# Altium PCB Board-PCB.PcbDoc (part 2 of 2)
Units mm, origin at the board's own origin, x right, y up, seen from the top; angles counter-clockwise.
Board outline 60 x 100 mm, 4 copper layers (Top Layer, Mid Layer 1, Mid Layer 2, Bottom Layer), stack 0.778 mm thick; 163 components, 149 nets, 665 pads, 352 vias.
Unrouted connection lines stored in the file: 350.
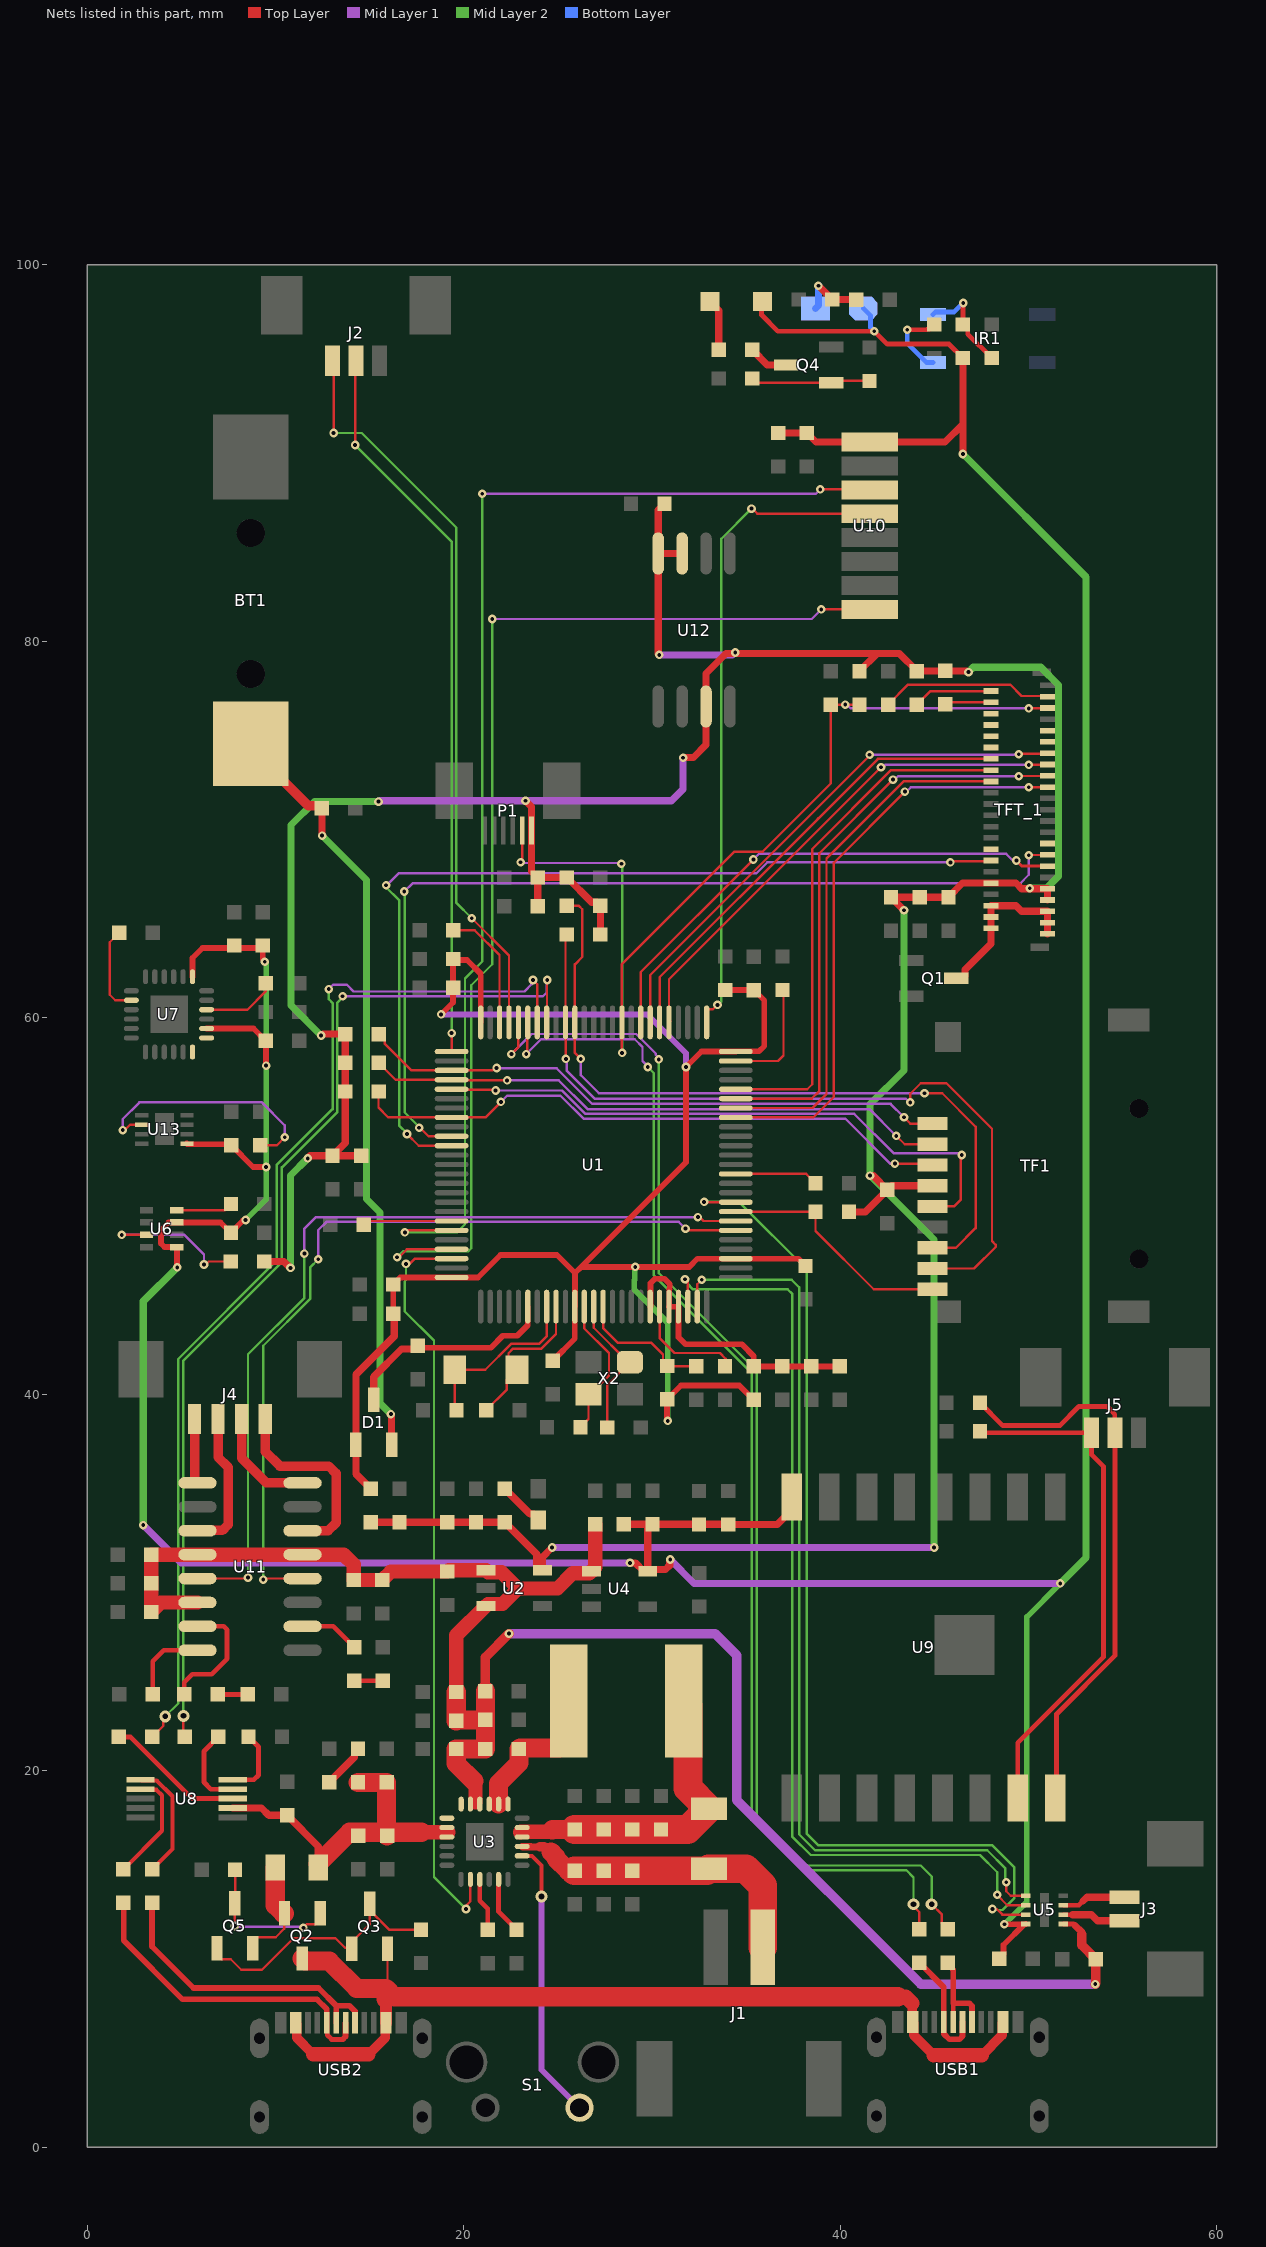
[diagram p4: the nets of this part, all layers, seen from the top]

## Via types
v1: diameter 0.457, hole 0.203, Top Layer to Bottom Layer, tented both sides, 341 vias
v2: diameter 0.635, hole 0.305, Top Layer to Bottom Layer, tented both sides, 7 vias
v3: diameter 0.7/0.4/0.4/0.7 (per signal layer), hole 0.7, Top Layer to Bottom Layer, tented both sides, 4 vias

## Nets (pads, with @x,y where several pads share a name; then routed paths per layer and width w, separated by ;. In a path a pad name is that pad's centre, name@x,y a point inside that pad or via, vN(x,y) a via of type N, cw(c..) or ccw(c..) an arc to the next point about the centre after c; other vN are vias at no path point) (continued)
LCD_D09: TFT_1.27 U1.43 | length 31.1
  Top Layer w0.127: U1.43@34.45,54.7 38.562,54.7 39.649,55.788 39.649,68.224 v1(43.434,72.009) ; v1(50.013,72.238) 50.019,72.244 50.994,72.244 TFT_1.27@51,72.25
  Mid Layer 1 w0.127: v1(43.434,72.009) 43.523,72.009 43.752,72.238 v1(50.013,72.238)
LCD_D10: TFT_1.28 U1.44 | length 28.1
  Top Layer w0.127: U1.44@34.45,55.2 38.523,55.2 39.268,55.945 39.268,68.453 43.365,72.55 TFT_1.28@48,72.55
LCD_D11: TFT_1.29 U1.45 | length 31.1
  Top Layer w0.127: U1.45@34.45,55.7 38.484,55.7 38.887,56.103 38.887,68.732 v1(42.799,72.644) ; v1(49.479,72.822) 49.493,72.836 50.986,72.836 TFT_1.29@51,72.85
  Mid Layer 1 w0.127: v1(42.799,72.644) 42.888,72.644 43.066,72.822 v1(49.479,72.822)
LCD_D12: TFT_1.30 U1.46 | length 27.9
  Top Layer w0.127: U1.46@34.45,56.2 38.242,56.2 38.506,56.464 38.506,68.961 42.695,73.15 TFT_1.30@48,73.15
LCD_D13: TFT_1.31 U1.55 | length 27.2
  Top Layer w0.127: U1.55@30.964,59.813 U1.55@30.9,59.75 30.9,62.04 v1(42.164,73.304) ; v1(50.013,73.431) 50.022,73.441 50.991,73.441 TFT_1.31@51,73.45
  Mid Layer 1 w0.127: v1(42.164,73.304) 42.253,73.304 42.38,73.431 v1(50.013,73.431)
LCD_D14: TFT_1.32 U1.56 | length 24.9
  Top Layer w0.127: U1.56@30.464,59.813 U1.56@30.4,59.75 30.4,62.151 38.836,70.587 ; 38.811,70.561 42,73.75 TFT_1.32@48,73.75
LCD_D15: TFT_1.33 U1.57 | length 28.6
  Top Layer w0.127: U1.57@29.964,59.813 U1.57@29.9,59.75 29.9,62.262 41.554,73.916 v1(41.554,73.965) ; v1(49.479,73.99) 49.509,74.02 50.97,74.02 TFT_1.33@51,74.05
  Mid Layer 1 w0.127: v1(41.554,73.965) 41.567,73.977 49.466,73.977 v1(49.479,73.99)
LCD_D16: TFT_1.34
LCD_D17: TFT_1.35 | length 0
  Top Layer w0.127: TFT_1.35@50.988,74.638 TFT_1.35@51,74.65
LCD_DE: TFT_1.36
LCD_HSYNC: TFT_1.38
LCD_IM0: R1.1 TFT_1.44 | length 4.2
  Top Layer w0.127: R1.1@44.069,76.632 44.787,77.35 TFT_1.44@48,77.35
LCD_IM1: R5.1 TFT_1.43 | length 9.2
  Top Layer w0.127: R5.1@42.545,76.632 43.604,77.691 49.03,77.691 49.632,77.089 50.961,77.089 TFT_1.43@51,77.05
LCD_IM2: R3.1 TFT_1.42 | length 2.5
  Top Layer w0.127: R3.1@45.583,76.643 45.69,76.75 TFT_1.42@48,76.75
LCD_LED-: Q1.3 TFT_1.1 TFT_1.2 TFT_1.3 TFT_1.4 TFT_1.5 TFT_1.6 | length 9.2
  Top Layer w0.381: Q1.3@46.164,62.088 46.514,62.088 46.624,62.197 46.624,62.547 48,63.924 TFT_1.2@48,64.75 TFT_1.4@48,65.35 TFT_1.6@48,65.95 49.33,65.95 49.63,65.65 TFT_1.5@51,65.65 TFT_1.3@51,65.05 TFT_1.1@51,64.45
LCD_MISO: TFT_1.17
LCD_MOSI: TFT_1.16
LCD_PCLK: TFT_1.37
LCD_RD: TFT_1.15 U1.85 | length 50.4
  Top Layer w0.127: v1(17.628,54.153) 17.678,54.153 18.131,53.7 U1.85@19.35,53.7 ; v1(50.013,68.631) 50.022,68.64 50.99,68.64 TFT_1.15@51,68.65
  Mid Layer 1 w0.127: v1(16.84,66.7) 17.272,67.132 49.555,67.132 50.013,67.589 v1(50.013,68.631)
  Mid Layer 2 w0.127: v1(16.84,66.7) 16.866,66.675 16.866,54.966 17.628,54.204 v1(17.628,54.153)
LCD_RS: TFT_1.13 U1.58 | length 27.1
  Top Layer w0.127: U1.58@29.4,59.75 29.4,62.42 v1(35.382,68.402)
  Top Layer w0.152: v1(49.352,68.351) 49.643,68.061 50.989,68.061 TFT_1.13@51,68.05
  Mid Layer 1 w0.127: v1(35.382,68.402) 35.687,68.707 48.808,68.707 49.164,68.351 v1(49.352,68.351)
LCD_RST: C3.2 P1.2 R7.2 TFT_1.41 U1.60 | length 53.6
  Top Layer w0.127: v1(23.018,68.255) 23.1,68.337 P1.2@23.1,69.95 ; v1(28.411,58.126) 28.4,58.138 U1.60@28.4,59.75 28.4,62.848 34.374,68.821 35.881,68.821 39.497,72.437 C3.2@39.497,76.632 v1(40.259,76.632) R7.2@41.021,76.632 ; v1(50.013,76.429) 50.023,76.439 50.989,76.439 TFT_1.41@51,76.45
  Mid Layer 1 w0.127: v1(23.018,68.255) 23.059,68.215 28.331,68.215 v1(28.372,68.174) ; v1(40.259,76.632) 40.348,76.632 40.552,76.429 v1(50.013,76.429)
  Mid Layer 2 w0.127: v1(23.018,68.255) v1@23.063,68.301 ; v1(28.372,68.174) 28.411,68.134 v1(28.411,58.126)
LCD_VSYNC: TFT_1.40
LCD_WR: TFT_1.14 U1.86 | length 49
  Top Layer w0.127: v1(16.98,53.823) 17.603,53.2 U1.86@19.35,53.2 ; v1(45.847,68.25) 45.897,68.3 47.95,68.3 TFT_1.14@48,68.35
  Mid Layer 1 w0.127: v1@15.888,67.018 16.535,67.666 35.535,67.666 36.119,68.25 v1(45.847,68.25)
  Mid Layer 2 w0.127: v1(15.875,67.031) 15.875,66.929 16.561,66.243 16.561,54.28 16.98,53.861 v1(16.98,53.823)
MODULE_RX: J5.1 R4.1 U9.15 | length 27.5
  Top Layer w0.254: R4.1@47.422,38.024 47.496,37.95 J5.1@53.35,37.95 53.34,37.94 53.34,36.805 53.975,36.17 53.975,26.035 49.423,21.483 U9.15@49.423,18.543
MODULE_TX: J5.2 R2.1 U9.16 | length 30
  Top Layer w0.254: R2.1@47.422,39.548 48.639,38.331 51.666,38.331 52.68,39.345 54.178,39.345 54.585,38.938 54.585,37.965 J5.2@54.6,37.95 54.6,26.121 51.486,23.007 51.486,18.605 U9.16@51.423,18.543
MOTO_EN: U1.34 U5.7 | length 55.4
  Top Layer w0.127: v1(32.766,50.216) 32.782,50.2 U1.34@34.45,50.2 ; v1(48.082,12.649) 48.311,12.649 48.611,12.349 U5.7@49.85,12.349
  Mid Layer 2 w0.127: v1(32.766,50.216) 34.62,50.216 38.227,46.609 38.227,16.637 38.837,16.027 48.082,16.027 49.251,14.859 49.251,13.226 48.623,12.598 48.133,12.598 v1(48.082,12.649)
MOTO_IN1: U1.23 U5.6 | length 51
  Top Layer w0.127: v1(31.75,46.101) 31.9,45.951 U1.23@31.9,44.65 ; v1(48.336,13.411) 48.336,13.386 48.873,12.849 U5.6@49.849,12.849
  Mid Layer 2 w0.127: v1(31.75,46.101) 31.75,46.012 31.997,45.765 31.997,45.751 32.18,45.568 37.211,45.568 37.44,45.339 37.44,16.51 38.43,15.519 47.422,15.519 48.336,14.605 v1(48.336,13.411)
MOTO_IN2: U1.24 U5.5 | length 50
  Top Layer w0.127: U1.24@32.4,44.65 32.4,45.837 v1(32.639,46.076) ; v1(48.819,14.072) 48.819,13.589 49.057,13.351 U5.5@49.849,13.351
  Mid Layer 2 w0.127: v1(32.639,46.076) 37.414,46.076 37.821,45.669 37.821,16.612 38.659,15.773 47.803,15.773 48.768,14.808 48.768,14.122 v1(48.819,14.072)
NetBT1_1: BT1.1 C19.2 D1.2 | length 40.7
  Top Layer w0.381: C19.2@12.319,71.247 C19.2@12.446,71.12 12.459,71.107 12.459,69.685 v1(12.471,69.672) ; v1(16.129,38.938) 16.129,38.918 16.165,38.882 D1.2@16.165,37.3
  Top Layer w0.508: BT1.1@8.687,74.549 8.687,74.299 11.739,71.247 C19.2@12.319,71.247
  Mid Layer 2 w0.381: v1(12.471,69.672) 14.834,67.31 14.834,50.368 15.545,49.657 15.545,39.522 v1(16.129,38.938)
NetC6_1: C6.1 D1.3 U1.6 | length 11.6
  Top Layer w0.305: C6.1@17.551,42.57 17.653,42.469 21.438,42.469 22.073,43.104 22.835,43.104 23.393,43.663 23.393,44.644 U1.6@23.4,44.65
  Top Layer w0.381: D1.3@15.215,39.7 15.215,40.919 16.688,42.393 17.374,42.393 C6.1@17.551,42.57
NetC17_1: C17.1 C18.1 C24.2 L2.1 U1.19 U1.21 U1.22 | length 15.4
  Top Layer w0.305: U1.19@29.9,44.65 29.912,44.662 29.912,45.889 30.15,46.126 30.658,46.126 30.937,45.847 30.937,45.594 30.912,45.57 30.912,44.662 U1.21@30.9,44.65 U1.22@31.4,44.65 31.4,43.022 31.775,42.647 34.773,42.647 35.408,42.012 35.408,41.483 L2.1@35.4,41.475 C18.1@36.925,41.475 C24.2@38.45,41.475 C17.1@39.975,41.475
NetC20_2: C20.2 U1.49 | length 6.2
  Top Layer w0.127: U1.49@34.45,57.7 36.694,57.7 36.982,57.988 36.982,61.419 C20.2@36.934,61.468
NetC21_2: C21.2 U1.8 X1.1 | length 9.4
  Top Layer w0.127: C21.2@19.609,39.141 19.525,39.225 X1.1@19.525,41.3 21.143,41.3 22.515,42.672 24.003,42.672 24.4,43.069 U1.8@24.4,44.65
NetC22_2: C22.2 U1.9 X1.2 | length 8.3
  Top Layer w0.127: C22.2@21.184,39.141 22.288,40.246 22.288,40.763 X1.2@22.825,41.3 22.372,41.753 22.372,42.17 22.62,42.418 24.13,42.418 24.9,43.188 U1.9@24.9,44.65
NetC23_2: C23.2 U1.73 | length 6.6
  Top Layer w0.127: C23.2@19.431,64.645 20.572,64.645 21.895,63.322 21.895,59.755 U1.73@21.9,59.75
NetC26_2: C26.2 U1.12 X2.3 | length 7.6
  Top Layer w0.127: C26.2@26.2,38.25 26.625,38.675 X2.3@26.625,40 26.725,40 27.711,40.986 27.711,42.183 26.4,43.494 U1.12@26.4,44.65
NetC27_2: C27.2 U1.13 X2.1 | length 7.8
  Top Layer w0.127: U1.13@26.9,44.65 26.9,43.525 28.725,41.7 X2.1@28.825,41.7 27.625,40.5 C27.2@27.625,38.225
NetC34_2: C34.2 R23.1 | length 2.4
  Top Layer w0.381: C34.2@12.85,19.38 14.185,20.715 14.185,20.968 R23.1@14.375,21.158
NetC40_1: C40.1 L3.1 U3.13 U3.14 U3.15 | length 8.3
  Top Layer w1.016: U3.14@21.85,18.225 21.85,19.325 22.925,20.4 C40.1@22.925,21.15 22.983,21.208 25.087,21.208 25.579,21.7 L3.1@25.579,23.7
NetC41_2: C41.2 C42.2 C43.2 C50.2 L3.2 R27.2 U3.10 U3.11 | length 16.8
  Top Layer w0.762: 23,16.725 23.025,16.75 24.6,16.75 24.7,16.85
  Top Layer w1.016: 24.7,16.85 24.725,16.875 C50.2@25.9,16.875
  Top Layer w1.524: C50.2@25.9,16.875 C42.2@28.95,16.875 C41.2@30.475,16.875 31.886,16.875 R27.2@32.994,17.983 ; L3.2@31.675,23.7 31.913,23.462 31.913,19.064 R27.2@32.994,17.983 ; R27.2@33.02,17.983 R27.2@32.994,17.983
NetC54_1: C54.1 IR1.4 R32.2 | length 5.4
  Top Layer w0.254: v1(46.533,97.968) 46.512,97.947 R32.2@46.512,96.824 46.766,96.57 46.766,96.317 C54.1@48.037,95.046
  Bottom Layer w0.254: IR1.4@44.921,97.352 45.061,97.492 46.057,97.492 v1(46.533,97.968)
NetC56_1: C56.1 U7.20 | length 4.8
  Top Layer w0.127: C56.1@1.702,64.516 1.194,64.008 1.194,61.214 1.483,60.925 U7.20@2.337,60.925
NetC57_2: C57.2 U7.10 | length 4
  Top Layer w0.127: U7.10@6.337,60.425 8.507,60.425 9.474,61.392 C57.2@9.475,61.825
NetC60_2: C60.2 U8.10 | length 3.7
  Top Layer w0.254: U8.10@7.722,19.517 7.726,19.521 8.853,19.521 9.093,19.761 9.093,21.26 C60.2@8.56,21.793
NetC71_2: C71.2 U11.8 | length 4.4
  Top Layer w0.254: C71.2@3.478,24.05 3.478,25.803 4.07,26.395 U11.8@5.85,26.395
NetC72_1: C72.1 R46.1 | length 1.6
  Top Layer w0.254: R46.1@6.925,24.05 C72.1@8.525,24.05
NetC73_1: C73.1 R47.1 | length 1.5
  Top Layer w0.254: R47.1@14.175,24.775 C73.1@15.7,24.775
NetD2_1: D2.1 R28.1 R29.2 | length 3.6
  Top Layer w0.381: v1(38.837,98.882) 38.843,98.882 R28.1@39.575,98.15 39.577,98.148 40.841,98.148 R29.2@40.843,98.146
  Bottom Layer w0.381: D2.1@38.68,97.675 38.837,97.832 v1(38.837,98.882)
NetD4_2: D4.2 R43.2 | length 2.8
  Top Layer w0.381: D4.2@33.071,98.044 33.541,97.574 R43.2@33.541,95.479
NetF1_1: F1.1 Q2.2 Q5.2 | length 5.8
  Top Layer w0.127: Q5.2@8.788,10.566 8.788,10.916 9.025,11.153 10.01,11.153 10.465,11.608 10.465,12.36 Q2.2@10.404,12.421
  Top Layer w1.016: F1.1@9.982,14.859 9.982,12.842 10.404,12.421 Q2.2@10.47,12.421
NetIR1_3: IR1.3 R33.2 | length 4
  Top Layer w0.254: v1(43.561,96.545) 44.584,96.545 44.609,96.57 44.733,96.57 R33.2@44.987,96.824
  Bottom Layer w0.254: v1(43.561,96.545) 43.561,95.822 44.571,94.812 IR1.3@44.921,94.812
NetJ3_1: J3.1 U5.3 | length 3.4
  Top Layer w0.254: U5.3@51.852,12.851 52.676,12.851 52.9,13.075
  Top Layer w0.381: 52.9,13.075 53.1,13.275 J3.1@55.1,13.275
NetJ3_2: J3.2 U5.2 | length 3.4
  Top Layer w0.254: U5.2@51.852,12.348 52.348,12.348
  Top Layer w0.381: 52.348,12.348 53.338,12.348 53.661,12.025 J3.2@55.1,12.025
NetLED1_1: LED1.1 R24.1 | length 2.5
  Top Layer w0.381: R24.1@22.174,34.976 23.508,33.642 23.736,33.642 23.952,33.426 LED1.1@23.952,33.325
NetQ2_1: Q2.1 Q5.3 R49.2 | length 8.1
  Top Layer w0.127: v1@7.849,11.735 v1(7.838,11.745) Q5.3@7.838,12.966 7.849,12.977 R49.2@7.849,14.732 ; v1(11.481,11.659) 11.656,11.834 12.133,11.834 12.37,12.071 Q2.1@12.37,12.421
  Mid Layer 1 w0.127: v1(7.838,11.745) 7.882,11.702 11.438,11.702 v1(11.481,11.659)
NetQ3_1: Q3.1 Q3.3 Q5.1 R48.2 | length 14.7
  Top Layer w0.127: Q5.1@6.888,10.566 6.888,10.216 7.125,9.98 7.622,9.98 8.179,9.423 9.271,9.423 10.947,11.1 13.183,11.1 13.691,10.592 13.995,10.592 Q3.1@14.046,10.541 14.046,10.891 14.996,11.841 Q3.3@14.996,12.591 ; Q3.3@14.996,12.941 Q3.3@14.996,12.591 ; R48.2@17.729,11.557 16.03,11.557 Q3.3@14.996,12.591
NetQ4_1: Q4.1 R44.2 R45.2 | length 6.4
  Top Layer w0.127: R44.2@35.316,93.954 35.544,93.725 Q4.1@39.525,93.725 39.625,93.825 R45.2@41.55,93.825
NetQ4_3: Q4.3 R43.1 | length 2.1
  Top Layer w0.381: R43.1@35.319,95.479 36.122,94.675 Q4.3@37.125,94.675
NetR6_2: R6.2 U13.2 | length 13.3
  Top Layer w0.127: v1(1.88,54.026) 1.981,54.026 2.265,54.31 U13.2@2.887,54.31 ; R6.2@9.179,53.225 10.07,53.225 v1(10.49,53.645)
  Mid Layer 1 w0.127: v1(1.88,54.026) 1.88,54.61 2.769,55.499 9.271,55.499 10.49,54.28 v1(10.49,53.645)
NetR11_1: R11.1 U1.37 | length 4.4
  Top Layer w0.127: U1.37@34.45,51.7 38.19,51.7 R11.1@38.684,51.206
NetR15_1: R15.1 U1.94 | length 4.8
  Top Layer w0.127: R15.1@14.681,48.997 14.885,49.2 U1.94@19.35,49.2
NetR26_1: R26.1 U3.5 | length 3.1
  Top Layer w0.254: U3.5@21.85,14.225 21.85,12.5 R26.1@22.8,11.55
NetR30_1: R30.1 U6.2 | length 8.2
  Top Layer w0.127: v1(1.829,48.463) 1.83,48.464 U6.2@3.15,48.464 ; v1(6.198,46.888) 6.287,46.888 6.448,47.05 R30.1@7.626,47.05
  Mid Layer 1 w0.127: v1(1.829,48.463) 5.156,48.463 6.198,47.422 v1(6.198,46.888)
NetR31_1: R31.1 U6.5 | length 3
  Top Layer w0.127: U6.5@4.75,49.775 7.304,49.775 R31.1@7.629,50.1
NetR35_2: R35.2 U1.20 | length 6.1
  Top Layer w0.127: U1.20@30.4,44.65 30.4,42.98 31.191,42.189 33.604,42.189 33.909,41.885 33.909,41.509 R35.2@33.875,41.475
NetR36_1: R36.1 USB1.A7 USB1.B7 | length 6.3
  Top Layer w0.305: R36.1@44.19,9.802 45.495,8.497 USB1.B7@45.495,6.65 45.497,6.648 45.497,6.027 45.8,5.725 46.325,5.725 46.5,5.9 46.497,5.903 46.497,6.648 USB1.A7@46.495,6.65
NetR37_1: R37.1 USB1.A6 USB1.B6 | length 5.2
  Top Layer w0.254: USB1.A6@45.995,6.65 45.995,7.65
  Top Layer w0.305: R37.1@45.715,9.802 45.944,9.573 45.944,9.47 45.995,9.419 45.995,7.65 46.846,7.65 46.993,7.504 46.993,6.652 USB1.B6@46.995,6.65
NetR39_1: R39.1 U8.9 | length 4.4
  Top Layer w0.254: R39.1@6.96,21.793 6.198,21.031 6.198,19.38 6.561,19.016 U8.9@7.722,19.016
NetR40_1: R40.1 U8.8 | length 7.4
  Top Layer w0.254: R40.1@1.676,21.793 1.68,21.79 2.29,21.79 5.563,18.517 U8.8@7.722,18.517
NetR41_1: R41.1 USB2.A7 USB2.B7 | length 17.6
  Top Layer w0.254: USB2.B7@12.72,6.6 12.743,6.577 12.743,5.957 12.975,5.725 13.571,5.725
  Top Layer w0.305: R41.1@1.915,12.977 1.93,12.962 1.93,10.973 5.053,7.85 12.2,7.85 12.718,7.332 12.718,6.602 USB2.B7@12.72,6.6 ; 13.571,5.725 13.718,5.871 13.718,6.598 USB2.A7@13.72,6.6
NetR42_1: R42.1 USB2.A6 USB2.B6 | length 17
  Top Layer w0.229: USB2.A6@13.22,6.6 13.225,6.605 13.225,7.511
  Top Layer w0.305: R42.1@3.44,12.977 3.44,10.657 5.639,8.458 12.277,8.458 13.225,7.511 13.929,7.511 14.218,7.223 14.218,6.602 USB2.B6@14.22,6.6 ; USB2.A6@13.22,6.6 13.22,7.511
NetR46_2: R46.2 U11.7 | length 6.6
  Top Layer w0.254: R46.2@5.147,24.05 5.147,24.697 5.575,25.125 6.6,25.125 7.425,25.95 7.425,27.475 7.235,27.665 U11.7@5.85,27.665
NetR47_2: R47.2 U11.10 | length 3.2
  Top Layer w0.254: U11.10@11.438,27.665 13.063,27.665 R47.2@14.175,26.553
NetS1_2: S1.2 U3.8 | length 15
  Top Layer w0.203: U3.8@23.1,15.475 23.115,15.46 23.63,15.46 24.13,14.961 v2(24.13,13.31)
  Mid Layer 1 w0.254: S1.2@26.139,2.08 S1.2@26.151,2.093
  Mid Layer 1 w0.305: v2(24.13,13.31) 24.13,4.114 S1.2@26.151,2.093
NRF_CE: U1.95 U10.3 | length 65.8
  Top Layer w0.127: v1(16.872,48.596) 16.975,48.7 U1.95@19.35,48.7 ; v1(38.938,88.062) 41.531,88.062 U10.3@41.553,88.04
  Mid Layer 1 w0.127: v1(20.98,87.833) 38.71,87.833 v1(38.938,88.062)
  Mid Layer 2 w0.127: v1(16.872,48.596) 19.64,48.596 20.066,49.022 20.066,62.078 20.98,62.992 v1(20.98,87.833)
NRF_CS: U1.51 U10.4 | length 34.9
  Top Layer w0.127: U1.51@32.9,59.75 32.9,60.376 32.971,60.447 33.231,60.447 33.388,60.604 33.401,60.604 v1(33.477,60.681) ; v1(35.281,87.046) 35.322,87.046 35.597,86.77 U10.4@41.553,86.77
  Mid Layer 2 w0.127: v1(33.477,60.681) 33.517,60.681 33.68,60.844 33.68,85.446 v1(35.281,87.046)
NRF_IRQ: U1.97 U10.8 | length 61.4
  Top Layer w0.127: v1(16.459,47.269) 16.549,47.269 16.979,47.7 U1.97@19.35,47.7 ; v1@38.989,81.686 v1(38.993,81.69) U10.8@41.553,81.69
  Mid Layer 1 w0.127: v1(21.514,81.178) 38.481,81.178 v1(38.993,81.69)
  Mid Layer 2 w0.127: v1(16.459,47.269) 16.789,47.6 20.244,47.6 20.396,47.752 20.396,61.722 21.514,62.84 v1(21.514,81.178)
NRST: C7.2 R14.2 U1.14 | length 7.2
  Top Layer w0.127: U1.14@27.4,44.65 27.4,43.517 28.194,42.723 29.972,42.723 30.582,42.113 30.582,41.718 R14.2@30.8,41.5 30.825,41.475 C7.2@32.35,41.475
P_DM: U3.18
P_DP: U3.19
PMU_IRQ: U1.98 U3.2 | length 39.9
  Top Layer w0.127: v1(16.929,46.922) 16.946,46.939 17.145,46.939 17.406,47.2 U1.98@19.35,47.2 ; v1(20.117,12.649) 20.117,12.827 20.35,13.06 U3.2@20.35,14.225
  Mid Layer 2 w0.127: v1(16.929,46.922) 16.929,46.067 16.866,46.003 16.866,44.399 18.415,42.85 18.415,14.351 v1(20.117,12.649)
SD_DETECT: R16.1 TF1.9 U1.33 | length 12.8
  Top Layer w0.127: U1.33@34.45,49.7 38.667,49.7 R16.1@38.684,49.682 38.684,48.666 41.776,45.575 TF1.9@44.905,45.575
SDIO_CLK: TF1.5 U1.80 | length 32.6
  Top Layer w0.127: U1.80@19.35,56.2 19.379,56.171 21.655,56.171 v1(21.692,56.134) ; TF1.5@44.905,49.975 46.038,49.975 46.406,50.343 46.406,52.654 v1(46.457,52.705)
  Mid Layer 1 w0.127: v1(21.692,56.134) 25.219,56.134 26.463,54.889 40.742,54.889 42.824,52.807 46.266,52.807 46.367,52.705 v1(46.457,52.705)
SDIO_CMD: R19.2 TF1.3 U1.83 | length 32.5
  Top Layer w0.127: R19.2@15.478,56.075 15.469,56.066 15.469,55.22 15.988,54.7 U1.83@19.35,54.7 21.147,54.7 v1(21.971,55.524) ; v1(42.901,52.248) 44.832,52.248 TF1.3@44.905,52.175
  Mid Layer 1 w0.127: v1(21.971,55.524) 22.301,55.855 25.139,55.855 26.358,54.635 40.259,54.635 42.647,52.248 v1(42.901,52.248)
SDIO_D0: R20.2 TF1.7 U1.65 | length 40.2
  Top Layer w0.127: R20.2@25.476,65.938 26.111,65.938 26.289,65.761 26.289,63.222 25.9,62.833 U1.65@25.9,59.75 25.9,58.123 v1(26.213,57.81) ; v1(44.475,55.982) 45.415,55.982 47.191,54.206 47.191,48.821 46.145,47.775 TF1.7@44.905,47.775
  Mid Layer 1 w0.127: v1(26.213,57.81) 26.213,56.947 27.178,55.982 v1(44.475,55.982)
SDIO_D1: R21.2 TF1.8 U1.66 | length 42.9
  Top Layer w0.127: v1(25.425,57.81) 25.413,57.823 25.413,59.737 U1.66@25.4,59.75 25.4,64.338 R21.2@25.476,64.414 ; v1@43.663,55.55 v1(43.713,55.499) 43.713,55.956 ; v1@43.713,55.55 43.713,55.956 ; TF1.8@44.905,46.675 47.107,46.675 48.258,47.826 48.258,47.932 48.057,48.133 48.057,54.102 45.644,56.515 44.272,56.515 43.713,55.956
  Mid Layer 1 w0.127: v1(25.425,57.81) 25.476,57.76 25.476,57.175 26.949,55.702 43.474,55.702 43.677,55.499 v1(43.713,55.499)
SDIO_D2: R17.2 TF1.1 U1.78 | length 31.6
  Top Layer w0.127: R17.2@15.478,59.125 15.796,58.807 15.796,58.626 17.222,57.2 U1.78@19.35,57.2 21.525,57.2 21.653,57.328 v1(21.742,57.328) ; v1(43.383,54.712) 43.72,54.375 TF1.1@44.905,54.375
  Mid Layer 1 w0.127: v1(21.742,57.328) 21.755,57.315 24.93,57.315 26.822,55.423 42.672,55.423 v1(43.383,54.712)
SDIO_D3: R18.2 TF1.2 U1.79 | length 31.2
  Top Layer w0.127: R18.2@15.478,57.6 16.378,56.7 U1.79@19.35,56.7 19.367,56.684 22.285,56.684 v1(22.301,56.667) ; v1(42.977,53.721) 43.423,53.275 TF1.2@44.905,53.275
  Mid Layer 1 w0.127: v1(22.301,56.667) 25.044,56.667 26.568,55.143 41.554,55.143 v1(42.977,53.721)
SPK_L+: J4.1 U11.1 | length 3.5
  Top Layer w0.508: J4.1@5.7,38.675 5.7,35.332 5.727,35.304 5.831,35.304 U11.1@5.85,35.285
SPK_L-: J4.2 U11.3 | length 7.6
  Top Layer w0.508: U11.3@5.85,32.745 5.869,32.764 7.177,32.764 7.475,33.062 7.475,36.125 6.95,36.65 J4.2@6.95,38.675
SPK_MUTE: U1.32 U11.5 | length 46
  Top Layer w0.127: U11.5@5.85,30.205 8.488,30.205 v1(8.537,30.254) ; v1(32.436,49.403) 32.525,49.403 32.728,49.2 U1.32@34.45,49.2
  Mid Layer 1 w0.127: v1(11.532,47.466) 11.532,48.793 12.141,49.403 v1(32.436,49.403)
  Mid Layer 2 w0.127: v1(8.537,30.254) 8.537,42.119 11.532,45.114 11.532,47.65 v1@11.557,47.676
SPK_R+: J4.3 U11.16 | length 5.9
  Top Layer w0.508: J4.3@8.2,38.675 8.2,36.6 9.515,35.285 U11.16@11.438,35.285
SPK_R-: J4.4 U11.14 | length 10.5
  Top Layer w0.508: J4.4@9.45,38.675 9.45,36.95 10.225,36.175 12.825,36.175 13.215,35.785 13.215,33.165 12.8,32.75 11.443,32.75 U11.14@11.438,32.745
SPK_SHND: U1.31 U11.12 | length 44.5
  Top Layer w0.127: v1(9.347,30.15) 9.402,30.205 U11.12@11.438,30.205 ; v1(31.775,48.793) 31.865,48.793 31.958,48.7 U1.31@34.45,48.7 U1.31@34.421,48.729
  Mid Layer 1 w0.127: v1(12.268,47.168) 12.268,48.717 12.7,49.149 31.42,49.149 v1(31.775,48.793)
  Mid Layer 2 w0.127: v1(9.347,30.15) 9.347,42.57 11.836,45.06 11.836,46.736 v1(12.268,47.168)
SW_CLK: J2.2 U1.76 | length 38.9
  Top Layer w0.127: v1(14.224,90.424) 14.224,94.798 14.199,94.824 J2.2@14.275,94.9 ; U1.76@19.35,58.2 v1(19.35,59.177)
  Mid Layer 2 w0.127: v1(14.224,90.424) 19.35,85.298 v1(19.35,59.177)
SW_DIO: J2.1 U1.72 | length 39.9
  Top Layer w0.127: J2.1@13.025,94.9 13.081,94.844 v1(13.081,91.059) ; v1(20.422,65.278) 22.4,63.3 U1.72@22.4,59.75
  Mid Layer 2 w0.127: v1(13.081,91.059) 14.58,91.059 19.609,86.03 19.609,66.091 v1(20.422,65.278)
USB_D+: R42.2 U8.1 | length 6.4
  Top Layer w0.229: U8.1@2.819,19.517 2.857,19.478 3.681,19.478 4.521,18.638 4.521,15.836 R42.2@3.44,14.755
USB_D-: R41.2 U8.2 | length 6.1
  Top Layer w0.229: R41.2@1.915,14.755 3.962,16.803 3.962,18.694 3.678,18.978 2.857,18.978 U8.2@2.819,19.016
USB_DM: R36.2 U1.70 | length 64.6
  Top Layer w0.127: v1(23.317,58.064) 23.371,58.118 23.371,59.721 U1.70@23.4,59.75 ; v2(43.891,12.903) 43.891,12.782 44.19,12.484 R36.2@44.19,11.58
  Mid Layer 1 w0.127: v1(23.317,58.064) 24.105,58.852 29.079,58.852 29.491,58.44 29.491,57.694 29.769,57.416 v1(29.769,57.379)
  Mid Layer 2 w0.127: v1(29.769,57.379) 30.099,57.048 30.099,46.304 35.306,41.097 35.306,17.399 37.998,14.707 43.51,14.707 43.891,14.326 v2(43.891,12.903)
USB_DP: R37.2 U1.71 | length 66.9
  Top Layer w0.127: v1(22.53,58.064) 22.9,58.435 U1.71@22.9,59.75 ; v2(44.856,12.903) 45.398,12.362 45.398,11.897 R37.2@45.715,11.58
  Mid Layer 1 w0.127: v1(22.53,58.064) 23.597,59.131 29.159,59.131 30.201,58.09 30.201,58.027 30.353,57.874 v1(30.353,57.785)
  Mid Layer 2 w0.127: v1(30.353,57.785) 30.353,46.431 35.56,41.224 35.56,17.551 38.151,14.961 44.272,14.961 44.856,14.376 v2(44.856,12.903)
USB_RX: R40.2 U1.69 | length 57.6
  Top Layer w0.127: R40.2@3.454,21.793 4.043,22.382 4.043,22.788 v2(4.14,22.885) ; v1(23.673,62.001) 23.9,61.774 U1.69@23.9,59.75
  Mid Layer 1 w0.127: v1(12.827,61.519) 13.056,61.747 13.792,61.747 14.148,61.392 23.216,61.392 23.61,61.786 23.61,61.938 v1(23.673,62.001)
  Mid Layer 2 w0.127: v2(4.14,22.885) 4.826,23.571 4.826,41.863 10.058,47.095 10.058,52.172 13.03,55.143 13.03,60.782 12.827,60.985 v1(12.827,61.519)
USB_TX: R39.2 U1.68 | length 56.7
  Top Layer w0.127: v2(5.105,22.911) 5.105,21.869 R39.2@5.182,21.793 ; U1.68@24.4,59.75 24.417,59.767 24.417,61.984 v1(24.435,62.001)
  Mid Layer 1 w0.127: v1(13.564,61.138) 24.206,61.138 24.409,61.341 24.409,61.976 v1(24.435,62.001)
  Mid Layer 2 w0.127: v2(5.105,22.911) 5.105,41.783 10.338,47.015 10.338,52.045 13.284,54.991 13.284,60.808 13.564,61.087 v1(13.564,61.138)
VBUS: Q2.3 Q3.2 USB1.A4B9 USB1.B4A9 USB2.A4B9 USB2.B4A9 | length 52.4
  Top Layer w0.127: 15.87,8.432 15.946,8.508 Q3.2@15.946,10.541
  Top Layer w0.508: USB2.A4B9@11.07,6.6 11.116,6.554 11.116,5.814 12,4.93 ; 14.94,4.93 15.83,5.82 15.83,6.56 USB2.B4A9@15.87,6.6 ; 43.815,7.645 43.815,6.68 USB1.A4B9@43.845,6.65 43.891,6.604 43.891,5.954 44.97,4.875 ; 47.52,4.875 48.599,5.954 48.599,6.604 USB1.B4A9@48.645,6.65
  Top Layer w0.635: USB2.B4A9@15.87,6.6 15.87,7.87
  Top Layer w0.762: 12,4.93 14.94,4.93 ; 43.067,7.99 43.47,7.99 43.815,7.645 ; 44.97,4.875 47.52,4.875
  Top Layer w1.016: Q2.3@11.42,10.021 11.562,9.879 12.861,9.879 14.307,8.432 15.87,8.432 ; 15.87,7.87 15.87,8.432 ; 43.067,7.99 16.312,7.99 15.87,8.432
VCC_3V3: C1.1 C2.1 C4.1 C5.1 C8.2 C28.1 C31.2 C32.2 L1.2 P1.1 R1.2 R3.2 R7.1 R8.2 R9.2 R10.2 R12.2 R13.2 R16.2 R17.1 R18.1 R19.1 R20.1 R21.1 R24.2 R30.2 TF1.4 TFT_1.7 TFT_1.9 TFT_1.10 U2.5 U12.3 U12.7 U12.8 | length 202.2
  Top Layer w0.381: R30.2@9.404,47.05 10.435,47.05 10.774,46.711 v1(10.795,46.711) ; v1(11.709,52.527) 11.845,52.662 R13.2@13.026,52.662 ; v1(12.421,59.055) 12.441,59.055 12.511,59.125 R17.1@13.7,59.125 R18.1@13.7,57.6 R19.1@13.7,56.075 13.7,53.337 R13.2@13.026,52.662 ; R12.2@14.551,52.662 R13.2@13.026,52.662 ; L1.2@15.062,33.198 C8.2@16.586,33.198 C31.2@19.126,33.198 C32.2@20.65,33.198 R24.2@22.174,33.198 23.875,31.497 23.875,30.735 23.96,30.65 U2.5@24.175,30.65 24.175,31.338 v1(24.689,31.852) ; v1(23.279,71.526) 23.6,71.206 P1.1@23.6,69.95 23.6,67.772 R9.2@23.927,67.446 ; R10.2@23.927,65.921 R9.2@23.927,67.446 ; R21.1@27.254,64.414 R20.1@27.254,65.938 27.064,66.129 26.793,66.129 C5.1@25.477,67.446 R9.2@23.927,67.446 ; v1(30.378,79.273) 30.328,79.324 U12.8@30.328,84.658 ; C2.1@30.658,87.3 30.328,86.97 U12.8@30.328,84.658 ; U12.7@31.598,84.658 U12.8@30.328,84.658 ; v1(31.648,73.812) 31.663,73.827 32.196,73.827 32.868,74.498 U12.3@32.868,76.53 32.868,78.283 33.934,79.35 41.961,79.35 ; R16.2@40.462,49.682 41.326,49.682 C28.1@42.494,50.851 ; R7.1@41.021,78.41 41.961,79.35 ; v1(41.58,51.613) 41.594,51.598 41.747,51.598 C28.1@42.494,50.851 ; v1(43.383,65.71) 43.383,65.711 R8.2@42.695,66.4 C1.1@45.745,66.4 46.495,67.15 TFT_1.10@48,67.15 49.33,67.15 49.63,66.85 TFT_1.9@51,66.85 TFT_1.7@51,66.25 ; TF1.4@44.905,51.075 42.718,51.075 C28.1@42.494,50.851 ; v1(46.812,78.359) 46.792,78.359 46.73,78.421 R3.2@45.583,78.421 45.577,78.415 44.075,78.415 R1.2@44.069,78.41 43.129,79.35 41.961,79.35
  Mid Layer 1 w0.381: v1(15.469,71.476) 15.519,71.526 v1(23.279,71.526) 31.039,71.526 31.648,72.136 v1(31.648,73.812) ; v1(24.689,31.852) v1(44.983,31.852) ; v1(30.378,79.273) 34.269,79.273 34.396,79.4 v1(34.417,79.4)
  Mid Layer 2 w0.381: v1(10.795,46.711) 10.795,51.613 v1(11.709,52.527) ; v1(12.421,59.055) 10.82,60.655 10.82,70.231 12.065,71.476 v1(15.469,71.476) ; v1(43.383,65.71) 43.383,57.201 41.58,55.397 v1(41.58,51.613) 44.983,48.209 v1(44.983,31.852) ; v1(46.812,78.359) 47.066,78.613 50.648,78.613 51.587,77.673 51.587,67.513 50.952,66.878 v1(50.063,66.878)
VCC_3V3_DEV: C47.2 C48.2 C52.1 C53.2 C55.1 C58.2 C59.2 C62.1 C63.1 C64.1 C65.1 C74.1 D2.2 D4.1 R32.1 U4.5 U5.8 U6.6 U6.8 U7.8 U7.13 U9.8 U10.1 U13.5 | length 230.6
  Top Layer w0.254: D4.1@35.871,98.044 35.814,97.987 35.814,97.333 36.679,96.468 41.807,96.468 42.491,95.783 45.774,95.783 R32.1@46.512,95.046
  Top Layer w0.305: v1(4.775,46.736) 4.763,46.748 4.763,47.802 U6.8@4.75,47.814 4.103,47.814 3.912,48.006 3.912,48.717 4.318,49.124 4.749,49.124 U6.6@4.75,49.125 7.078,49.125 C53.2@7.629,48.575 8.275,49.221 8.378,49.221 v1(8.407,49.251) ; U13.5@5.287,53.31 5.315,53.282 7.596,53.282 C74.1@7.654,53.225 8.808,52.07 v1(9.5,52.07) ; U7.13@5.587,62.175 5.587,63.169 6.121,63.703 9.195,63.703 C59.2@9.322,63.83 9.322,63.109 9.423,63.008 v1(9.423,62.967) ; U7.8@6.337,59.425 8.822,59.425 C55.1@9.472,58.775 9.486,58.761 9.486,57.469 v1(9.5,57.455) ; C52.1@48.447,10 48.676,10.229 48.676,10.746 U5.8@49.773,11.843 ; v1(48.717,11.836) 48.724,11.843 U5.8@49.773,11.843 ; U5.8@49.85,11.85 49.843,11.843 U5.8@49.773,11.843
  Top Layer w0.381: C47.2@28.5,33.094 28.509,33.085 C48.2@30.016,33.085 ; v1(28.829,31.039) 29.111,31.039 29.55,30.6 U4.5@29.775,30.6 ; C48.2@30.025,33.094 C48.2@30.016,33.085 ; v1(30.963,31.217) 30.963,31.196 30.937,31.171 30.937,30.908 30.714,30.685 29.86,30.685 U4.5@29.775,30.6 ; C64.1@36.703,91.059 C65.1@38.227,91.059 38.706,90.58 U10.1@41.553,90.58 41.557,90.576 45.568,90.576 46.512,91.521 ; U9.8@37.419,34.544 37.419,33.844 36.651,33.076 C62.1@34.047,33.076 34.038,33.085 C48.2@30.016,33.085 ; v1(46.512,89.946) 46.512,91.521 ; R32.1@46.512,95.046 46.512,91.521 ; U4.5@29.775,30.6 29.775,32.844 C48.2@30.016,33.085
  Mid Layer 1 w0.381: v1(2.972,33.045) 4.978,31.039 v1(28.829,31.039) ; v1(30.963,31.217) 32.233,29.947 v1(51.689,29.947)
  Mid Layer 2 w0.305: v1(8.407,49.251) 9.5,50.343 v1(9.5,52.07) v1(9.5,57.455) 9.5,62.849 9.423,62.925 v1(9.423,62.967) ; v1(48.717,11.836) 49.911,13.03 49.911,28.169 v1(51.689,29.947)
  Mid Layer 2 w0.381: v1(2.972,33.045) 2.972,44.933 v1(4.775,46.736) ; v1(46.512,89.946) 53.061,83.398 53.061,31.318 v1(51.689,29.947)
  Bottom Layer w0.254: D2.2@41.22,97.675 41.612,97.283 41.612,96.666 v1(41.808,96.469)
VCC_3V3_M: C9.2 C10.2 C11.2 C12.2 C13.2 C14.2 C15.2 C16.2 D1.1 L1.1 L2.2 R14.1 U1.11 U1.28 U1.50 U1.75 U1.100 | length 100.4
  Top Layer w0.305: C14.2@16.253,44.275 16.252,44.277 16.252,45.823 C11.2@16.25,45.825 16.625,46.2 U1.100@19.35,46.2 20.749,46.2 21.946,47.396 24.943,47.396 25.908,46.431 ; v1(18.796,60.173) 19.431,60.808 C16.2@19.431,61.595 C10.2@19.431,63.12 19.483,63.068 20.168,63.068 20.9,62.336 U1.75@20.9,59.75 ; C13.2@24.725,41.778 25.9,42.953 U1.11@25.9,44.65 25.908,44.658 25.908,46.431 ; v1(30.836,38.583) 30.8,38.618 R14.1@30.8,39.722 31.54,40.462 34.635,40.462 L2.2@35.4,39.697 ; C15.2@33.884,61.468 33.885,61.466 35.407,61.466 C9.2@35.409,61.465 35.966,60.907 35.966,58.496 35.683,58.212 34.462,58.212 U1.50@34.45,58.2 32.622,58.2 v1(31.801,57.379) 31.801,52.324 26.238,46.761 ; C12.2@38.151,46.812 37.763,47.2 U1.28@34.45,47.2 32.417,47.2 31.979,46.761 v1(29.108,46.761) 26.238,46.761 ; 25.908,46.431 26.238,46.761
  Top Layer w0.381: L1.1@15.062,34.976 14.265,35.773 D1.1@14.265,37.3 14.265,41.036 16.307,43.078 16.307,44.221 C14.2@16.253,44.275
  Mid Layer 1 w0.305: v1(18.796,60.173) 29.743,60.173 31.801,58.115 v1(31.801,57.379)
  Mid Layer 2 w0.305: v1(29.108,46.761) 29.079,46.732 29.079,46.081 29.058,46.06 29.058,45.568 30.836,43.79 v1(30.836,38.583)
VCC_5V: C33.2 C35.2 C36.2 C37.2 C38.2 C40.2 C49.2 C51.2 C66.1 C67.1 C68.1 C69.1 C70.2 R25.2 U2.1 U2.3 U3.16 U3.17 U4.1 U5.1 U11.4 U11.6 U11.13 | length 103.2
  Top Layer w0.254: U5.1@51.851,11.849 51.853,11.847 52.403,11.847 52.475,11.775
  Top Layer w0.381: 52.475,11.775 52.825,11.425 52.825,11.3
  Top Layer w0.508: C35.2@21.147,24.225 21.147,26.022 v1@22.4,27.275 ; 52.825,11.3 52.825,10.728 C51.2@53.578,9.975 53.578,8.696 v1(53.543,8.661)
  Top Layer w0.762: C70.2@3.4,28.425 C70.2@3.403,28.428 ; U11.6@5.85,28.935 3.91,28.935 C70.2@3.403,28.428 ; R25.2@19.6,24.175 19.6,27.188 21.162,28.75 U2.3@21.175,28.75 21.281,28.856 22.056,28.856 22.875,29.675 ; 20.525,19.45 20.625,19.35 20.625,18.325 ; C49.2@26.975,33.097 26.975,30.8 26.894,30.719 26.894,30.706 26.788,30.6 U4.1@26.775,30.6 26.669,30.494 25.794,30.494 24.975,29.675 22.875,29.675 ; C70.2@3.403,28.428 C66.1@3.403,31.475 U11.4@5.85,31.475 U11.13@11.438,31.475 13.625,31.475 14.15,30.95 C69.1@14.15,30.128 15.672,30.128 C68.1@15.675,30.125 16.128,30.578 C33.2@19.125,30.578 19.197,30.65 U2.1@21.175,30.65 21.281,30.544 22.006,30.544 22.875,29.675
  Top Layer w1.016: R25.2@19.6,24.175 C36.2@19.6,22.65 19.65,22.7 C38.2@21.147,22.7 ; 20.525,19.45 19.6,20.375 C37.2@19.6,21.15 C40.2@21.147,21.15 C38.2@21.147,22.7 ; C35.2@21.147,24.225 C38.2@21.147,22.7
  Mid Layer 1 w0.508: v1(22.403,27.28) 33.35,27.28 34.493,26.137 34.493,18.44 44.272,8.661 v1(53.543,8.661)
VCC_BAT: C44.2 C45.2 C46.2 J1.2 R27.1 U3.9 | length 17
  Top Layer w0.381: U3.9@23.1,15.975 23.117,15.958 23.558,15.958 23.566,15.95 24.025,15.95
  Top Layer w0.508: 24.025,15.95 24.275,15.95 24.586,15.639
  Top Layer w1.016: 24.63,15.684 24.892,15.422 24.892,15.333 25.55,14.675 C46.2@25.9,14.675
  Top Layer w1.524: C46.2@25.9,14.675 C45.2@27.425,14.675 32.912,14.675 R27.1@33.02,14.783 34.982,14.783 35.875,13.89 J1.2@35.875,10.625
VCC_USB: C29.2 C30.2 C61.1 F1.2 R22.2 R23.2 U3.20 U3.21 U8.7 | length 18.5
  Top Layer w0.381: U8.7@7.722,18.016 9.255,18.016 9.644,17.628 C61.1@10.617,17.628 12.268,15.977 12.268,15.05 F1.2@12.268,14.859
  Top Layer w0.762: 17.75,16.725 19.175,16.725
  Top Layer w1.016: F1.2@12.268,15.05 13.944,16.725 C29.2@15.9,16.725 ; R23.2@14.375,19.38 R22.2@15.9,19.38 C29.2@15.9,16.725 ; C29.2@15.926,16.535 15.9,16.561 C29.2@15.9,16.725 ; 17.75,16.725 C29.2@15.9,16.725
VREG: C39.2 U3.3 | length 2.9
  Top Layer w0.254: U3.3@20.85,14.225 20.85,13.095 21.275,12.67 C39.2@21.275,11.55
XCL: U7.7
XDA: U7.6
pads on no net: BT1. J1.3 J1.4 J2.0 J3.0 J4.0 J5.0 TF1.0 TFT_1.0 TFT_1.11 U1.3 U1.4 U1.5 U1.7 U1.15 U1.16 U1.17 U1.18 U1.84 U1.87 U2.4 U3.4 U3.6 U3.23 U4.4 U7.2 U7.3 U7.4 U7.5 U7.14 U7.15 U7.16 U7.17 U7.19 U7.21 U7.22 U8.4 U8.5 U8.6 U9.2 U9.3 U9.4 U9.11 U9.13 U9.14 U9.17 U11.9 U13.3 U13.6 USB1.A5 USB1.A8 USB1.B5 USB1.B8 USB2.A5 USB2.A8 USB2.B5 USB2.B8
copper on no net:
  other v3: 10.58,5.28 16.36,5.28 43.355,5.33 49.135,5.33

## Polygon pours and split planes (outlines as drawn)
GND on Mid Layer 1 "GND_L02_P001" (solid, remove dead copper, pour order 1): 0,100 60,100 60,0 0,0
GND on Mid Layer 2 "GND_L03_P002" (solid, remove dead copper, pour order 2): 0,100 60,100 60,0 0,0
GND on Bottom Layer "GND_L04_P003" (solid, remove dead copper, pour order 3): 0,100 60,100 60,0 0,0
GND on Top Layer "GND_L01_P000" (solid, remove dead copper, pour order 0): 0,100 60,100 60,0 0,0

## Keep-outs
Keep-Out Layer:
  circle w0.254: c3.492,96.496 r3
  circle w0.254: c56.498,96.502 r3
  circle w0.254: c56.498,3.494 r3
  circle w0.254: c3.503,3.496 r3
  lines w0.152: 60,62.484 60,63.5 ; 60,78.5 60,78.969 ; 0,0 0,100 60,100 60,0 0,0 ; 17.145,91.211 17.145,94.361 27.915,94.361 27.915,91.211 17.145,91.211 ; 54,62.484 57.988,62.484 57.988,78.969 54,78.969 54,62.484

## Other copper
Top Layer:
  pour cut-out: 19.126,110.592

## Silkscreen, mask and mechanical layers (free items; w line width, h text height)
Top Overlay:
  circle w0.254: c5.347,66.762 r0.5
  lines w0.254: 2.805,66.762 3.147,67.162 ; 2.861,66.762 3.147,66.362 ; 3.147,66.762 2.347,66.762 ; 4.847,66.762 2.347,66.762 ; 5.347,67.262 5.347,69.762 ; 5.347,68.962 5.347,69.762 ; 5.347,69.247 4.947,68.962 ; 5.347,69.304 5.747,68.962 ; 2.347,66.762 3.147,66.362 ; 2.347,66.762 3.147,67.162 ; 3.147,66.362 3.147,67.162 ; 4.947,68.962 5.747,68.962 ; 4.947,68.962 5.347,69.762 ; 5.347,69.762 5.747,68.962 ; 5.346,66.762 5.347,66.762
  text "SWD" at 8.585,94.615 h0.81
  text "D C G" at 12.395,92.634 h0.81
  text "JLCJLCJLCJLC" at 2.007,81.788 h0.81
  text "X" at 4.957,70.429 h0.81
  text "Y" at 0.857,66.204 h0.81
  text "TF CARD" at 47.65,59.919 h0.81
  text "SPEAKER" at 5.105,43.459 h0.81
  text "L" at 4.166,37.795 h0.81
  text "R" at 10.338,37.744 h0.81
  text "+ - + -" at 4.877,36.678 h0.81
  text "R T G" at 52.857,35.687 h0.81
  text "+" at 37.338,10.931 h2.54
  text "USB1" at 7.214,7.899 h0.81
  text "USB2" at 40.996,7.899 h0.81
  text "SWITCH" at 21.412,6.477 h0.81
  text "BATTERY" at 31.826,0.483 h0.81
Bottom Overlay:
  text "BLACK-CTRL" at 31.039,95.987 h2.54
  text "Ver 1.0" at 14.986,93.853 h1.02
Mechanical 1:
  circle w0.152: c3.503,3.496 r1.75
  circle w0.152: c56.498,3.494 r1.75
  circle w0.152: c56.498,96.502 r1.75
  circle w0.152: c3.492,96.496 r1.75
  lines w0.152: 0,0 0,100 60,100 60,0 0,0 ; 17.145,91.211 27.915,91.211 27.915,94.361 17.145,94.361 17.145,91.211 ; 54,62.484 57.988,62.484 57.988,78.969 54,78.969 54,62.484